# KiCad board keyboard.kicad_pcb
title: Entropy; date: 2020-12-25; rev: 0.1; company: Josh Johnson
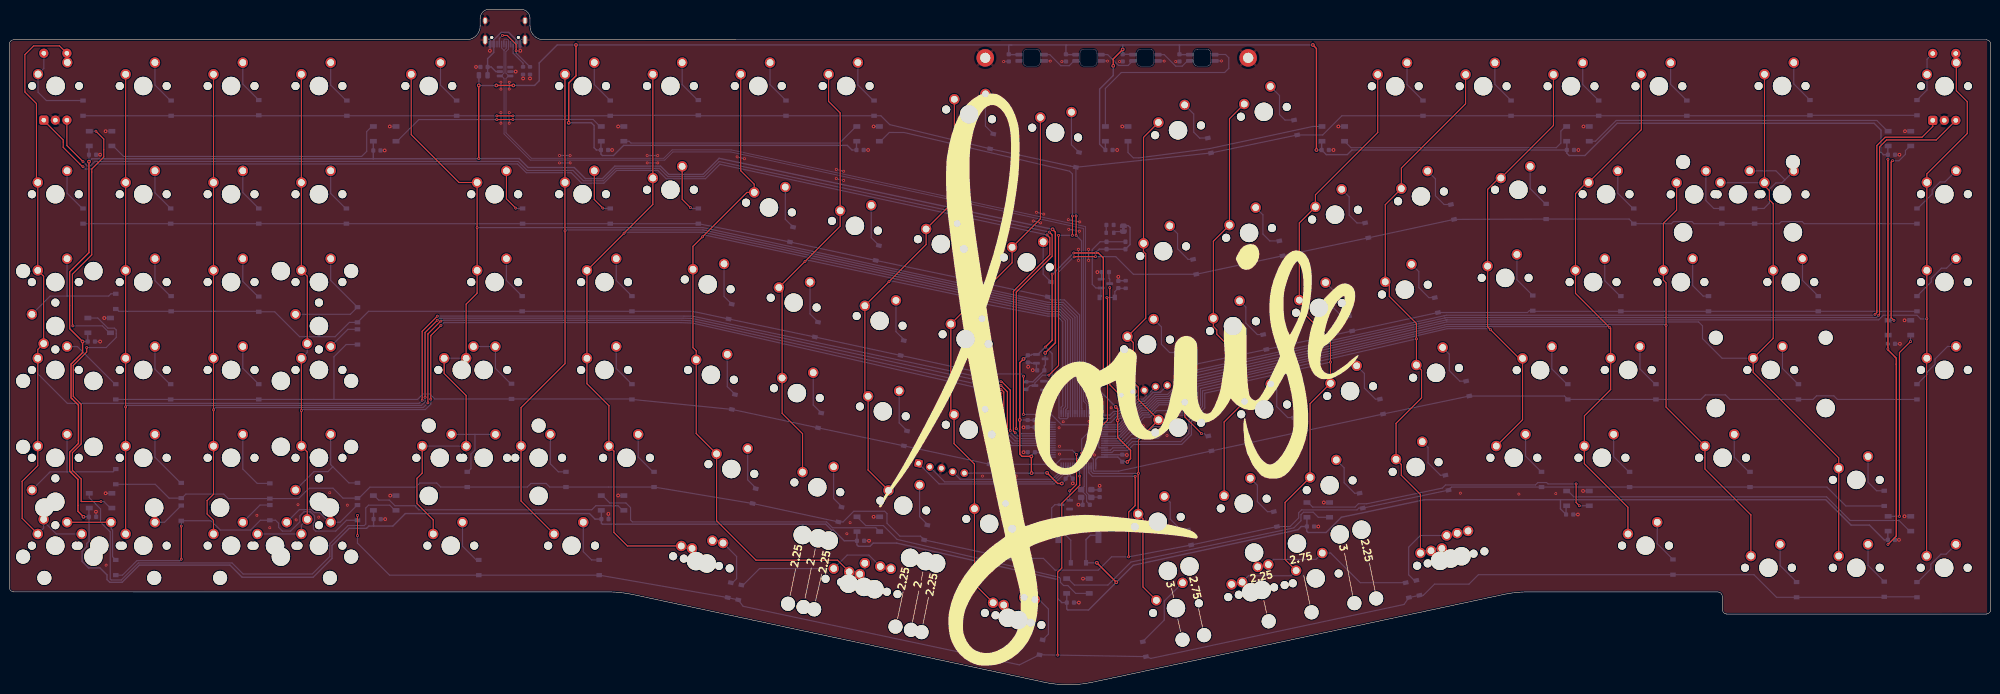
[diagram p0: board, top side]
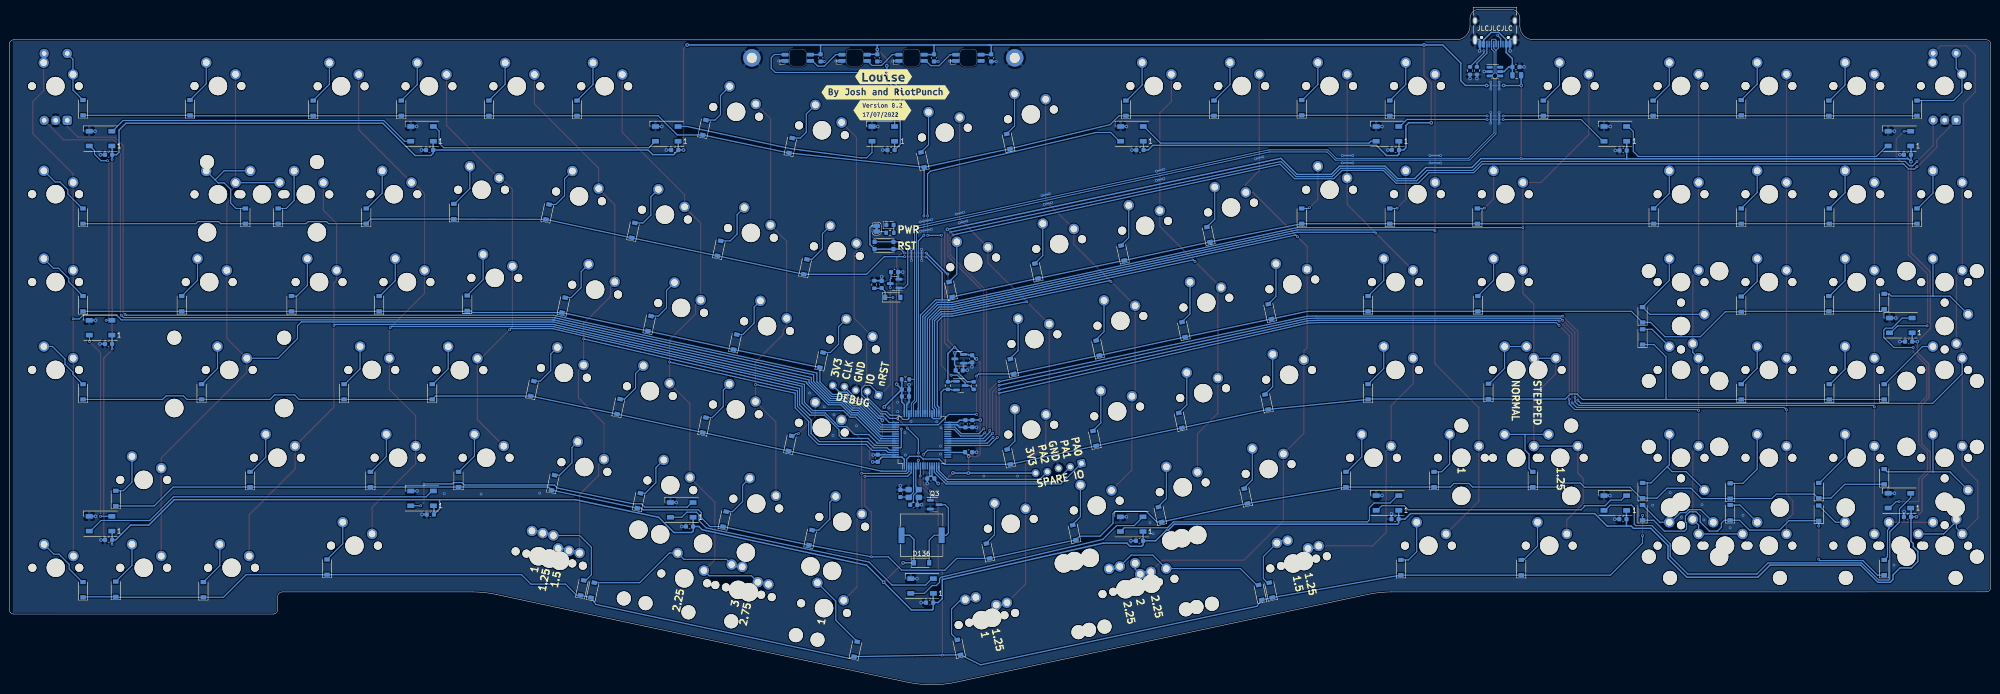
[diagram p1: board, bottom side, seen from below]

Outline 429.6 x 146.46 mm; copper layers: Top, Bottom. Coordinates in mm from the lower left corner of the outline.
Outline path: 0,138.84 0.01,21.14 arc(0.3,20.44) 1.01,20.14 129.87,20.14 arc(132.49,20) 135.08,19.59 224.38,0.55 arc(229.6,0) 234.81,0.55 324.02,19.59 arc(326.61,20) 329.24,20.14 370.39,20.13 arc(371.1,19.84) 371.39,19.13 371.41,16.34 arc(371.7,15.63) 372.41,15.34 428.6,15.34 arc(429.31,15.64) 429.6,16.34 429.59,138.83 arc(429.3,139.54) 428.59,139.83 115.9,139.84 arc(113.78,140.72) 112.9,142.84 112.9,144.46 arc(112.31,145.88) 110.9,146.46 104.1,146.46 arc(102.69,145.88) 102.1,144.46 102.1,142.84 arc(101.22,140.72) 99.1,139.84 1,139.84 arc(0.29,139.54) 0,138.84
Stack: Top 0.035mm / dielectric 1.51mm FR4 er 4.5 / Bottom 0.035mm

## Placement (name value [footprint] x y rotation side)
BZ1  Buzzer  [Buzzer_Murata_PKMCS0909E]  231.8 32.42 180 bottom
C1  100n  [C_0603_1608Metric]  184.46 115.94 180 bottom
C2  100n  [C_0603_1608Metric]  338.46 115.94 180 bottom
C3  100n  [C_0603_1608Metric]  408.06 114.92 180 bottom
C4  100n  [C_0603_1608Metric]  408.06 73.92 180 bottom
C5  100n  [C_0603_1608Metric]  408.06 31.42 180 bottom
C6  100n  [C_0603_1608Metric]  338.3 36.92 180 bottom
C7  4u7  [C_0603_1608Metric]  102.94 133.94 0 bottom
C8  100n  [C_0603_1608Metric]  282.11 34.32 180 bottom
C9  100n  [C_0603_1608Metric]  230.06 17.82 180 bottom
C10  100n  [C_0603_1608Metric]  184.56 31.22 180 bottom
C11  100n  [C_0603_1608Metric]  129.15 35.92 180 bottom
C12  4u7  [C_0603_1608Metric]  223.64 68.17 0 bottom
C13  100n  [C_0603_1608Metric]  79.76 35.92 180 bottom
C14  100n  [C_0603_1608Metric]  18.06 36.42 180 bottom
C15  4u7  [C_0603_1608Metric]  220.84 70.67 90 bottom
C16  100n  [C_0603_1608Metric]  17.8 74.42 180 bottom
C17  100n  [C_0603_1608Metric]  18.06 114.92 180 bottom
C18  100n  [C_0603_1608Metric]  129.06 115.94 180 bottom
C19  100n  [C_0603_1608Metric]  285.31 115.94 180 bottom
C20  100n  [C_0603_1608Metric]  253.7 135.92 90 bottom
C21  100n  [C_0603_1608Metric]  216.7 135.92 90 bottom
C22  100n  [C_0603_1608Metric]  241.4 135.92 90 bottom
C23  100n  [C_0603_1608Metric]  229.1 135.92 90 bottom
C24  4u7  [C_0603_1608Metric]  237.65 89.48 180 bottom
C25  10u  [C_0603_1608Metric]  240.45 86.78 90 bottom
C26  15p  [C_0603_1608Metric]  236.4 41.47 90 bottom
C27  15p  [C_0603_1608Metric]  233.5 39.02 180 bottom
C28  4u7  [C_0603_1608Metric]  220.8 56.62 270 bottom
C29  4u7  [C_0603_1608Metric]  235.3 64.02 180 bottom
C30  100n  [C_0603_1608Metric]  229.8 44.72 0 bottom
C31  100n  [C_0603_1608Metric]  241.3 49.12 90 bottom
C32  100n  [C_0603_1608Metric]  235.3 62.52 180 bottom
C33  100n  [C_0603_1608Metric]  222.3 56.59 270 bottom
C34  100n  [C_0603_1608Metric]  221.6 50.42 180 bottom
C35  100n  [C_0603_1608Metric]  79.7 115.84 180 bottom
C36  100n  [C_0603_1608Metric]  238.42 115.94 180 bottom
D1  1N4148  [D_SOD-123]  16 101.62 90 bottom
D2  1N4148  [D_SOD-123]  23.1 83.12 90 bottom
D3  1N4148  [D_SOD-123]  23.1 63.52 90 bottom
D4  1N4148  [D_SOD-123]  23.1 45.12 90 bottom
D5  1N4148  [D_SOD-123]  23.1 25.42 90 bottom
D6  1N4148  [D_SOD-123]  16 125.02 90 bottom
D7  WS2812B  [LED_WS2812B_PLCC4_5.0x5.0mm_P3.2mm]  186.2 119.44 0 bottom
D8  WS2812B  [LED_WS2812B_PLCC4_5.0x5.0mm_P3.2mm]  340.1 40.42 0 bottom
D9  WS2812B  [LED_WS2812B_PLCC4_5.0x5.0mm_P3.2mm]  130.8 119.44 0 bottom
D10  WS2812B  [LED_WS2812B_PLCC4_5.0x5.0mm_P3.2mm]  409.8 34.92 0 bottom
D11  1N4148  [D_SOD-123]  35.1 125.02 90 bottom
D12  1N4148  [D_SOD-123]  35 101.62 90 bottom
D13  1N4148  [D_SOD-123]  35.1 82.62 90 bottom
D14  1N4148  [D_SOD-123]  35 63.52 90 bottom
D15  1N4148  [D_SOD-123]  37.3 42.12 90 bottom
D16  1N4148  [D_SOD-123]  37.3 37.22 90 bottom
D17  WS2812B  [LED_WS2812B_PLCC4_5.0x5.0mm_P3.2mm]  19.8 118.42 0 bottom
D18  WS2812B  [LED_WS2812B_PLCC4_5.0x5.0mm_P3.2mm]  409.8 77.42 0 bottom
D19  WS2812B  [LED_WS2812B_PLCC4_5.0x5.0mm_P3.2mm]  19.5 77.92 0 bottom
D20  WS2812B  [LED_WS2812B_PLCC4_5.0x5.0mm_P3.2mm]  409.8 118.42 0 bottom
D21  1N4148  [D_SOD-123]  54.1 125.12 90 bottom
D22  1N4148  [D_SOD-123]  54.1 101.62 90 bottom
D23  1N4148  [D_SOD-123]  54.1 82.52 90 bottom
D24  1N4148  [D_SOD-123]  54.1 63.52 90 bottom
D25  1N4148  [D_SOD-123]  56.5 42.02 90 bottom
D26  1N4148  [D_SOD-123]  56.5 37.32 90 bottom
D27  WS2812B  [LED_WS2812B_PLCC4_5.0x5.0mm_P3.2mm]  19.8 39.92 0 bottom
D28  WS2812B  [LED_WS2812B_PLCC4_5.0x5.0mm_P3.2mm]  340.1 119.44 0 bottom
D29  1N4148  [D_SOD-123]  73.2 125.02 90 bottom
D30  1N4148  [D_SOD-123]  73.1 101.62 90 bottom
D31  1N4148  [D_SOD-123]  75.5 80.22 90 bottom
D32  1N4148  [D_SOD-123]  75.5 75.42 90 bottom
D33  1N4148  [D_SOD-123]  75.5 42.12 90 bottom
D34  1N4148  [D_SOD-123]  75.5 37.32 90 bottom
D35  WS2812B  [LED_WS2812B_PLCC4_5.0x5.0mm_P3.2mm]  81.4 39.42 0 bottom
D36  WS2812B  [LED_WS2812B_PLCC4_5.0x5.0mm_P3.2mm]  287.05 119.44 0 bottom
D37  WS2812B  [LED_WS2812B_PLCC4_5.0x5.0mm_P3.2mm]  130.8 39.42 0 bottom
D38  1N4148  [D_SOD-123]  97 125.02 90 bottom
D39  1N4148  [D_SOD-123]  111.3 101.62 90 bottom
D40  1N4148  [D_SOD-123]  111.2 82.62 90 bottom
D41  1N4148  [D_SOD-123]  108.9 63.62 90 bottom
D42  1N4148  [D_SOD-123]  99.3 44.52 90 bottom
D43  1N4148  [D_SOD-123]  101.8 25.42 90 bottom
D44  SK6812-MINI-E  [SK8612-MINI-E]  258.6 135.92 0 top
D45  WS2812B  [LED_WS2812B_PLCC4_5.0x5.0mm_P3.2mm]  186.25 34.82 0 bottom
D46  SK6812-MINI-E  [SK8612-MINI-E]  246.27 135.92 0 top
D47  1N4148  [D_SOD-123]  130.3 125.02 90 bottom
D48  1N4148  [D_SOD-123]  130.3 101.62 90 bottom
D49  1N4148  [D_SOD-123]  120.7 44.52 90 bottom
D50  1N4148  [D_SOD-123]  127.9 25.42 90 bottom
D51  WS2812B  [LED_WS2812B_PLCC4_5.0x5.0mm_P3.2mm]  231.7 21.42 0 bottom
D52  SK6812-MINI-E  [SK8612-MINI-E]  233.93 135.92 0 top
D53  WS2812B  [LED_WS2812B_PLCC4_5.0x5.0mm_P3.2mm]  283.8 37.92 0 bottom
D54  1N4148  [D_SOD-123]  149.4 125.12 90 bottom
D55  1N4148  [D_SOD-123]  149.4 101.62 90 bottom
D56  1N4148  [D_SOD-123]  135 82.62 90 bottom
D57  1N4148  [D_SOD-123]  135 63.52 90 bottom
D58  1N4148  [D_SOD-123]  139.8 44.52 90 bottom
D59  1N4148  [D_SOD-123]  156.1 20.52 78 bottom
D60  SK6812-MINI-E  [SK8612-MINI-E]  221.6 135.92 0 top
D61  1N4148  [D_SOD-123]  168.4 125.02 90 bottom
D62  1N4148  [D_SOD-123]  169.6 97.62 78 bottom
D63  1N4148  [D_SOD-123]  156.3 80.92 78 bottom
D64  1N4148  [D_SOD-123]  157 61.32 78 bottom
D65  1N4148  [D_SOD-123]  161.5 40.92 78 bottom
D66  1N4148  [D_SOD-123]  158.4 20.02 78 bottom
D67  1N4148  [D_SOD-123]  187.5 125.02 90 bottom
D68  1N4148  [D_SOD-123]  188.2 93.62 78 bottom
D69  1N4148  [D_SOD-123]  175 77.02 78 bottom
D70  1N4148  [D_SOD-123]  175.7 57.32 78 bottom
D71  1N4148  [D_SOD-123]  180.1 36.92 78 bottom
D72  1N4148  [D_SOD-123]  223.7 8.12 78 bottom
D73  1N4148  [D_SOD-123]  238.05 83.98 180 bottom
D74  1N4148  [D_SOD-123]  213 117.82 78 bottom
D75  1N4148  [D_SOD-123]  206.9 89.72 78 bottom
D76  1N4148  [D_SOD-123]  193.6 73.02 78 bottom
D77  1N4148  [D_SOD-123]  194.3 53.42 78 bottom
D78  1N4148  [D_SOD-123]  198.7 33.02 78 bottom
D79  1N4148  [D_SOD-123]  246.1 7.72 102 bottom
D80  1N4148  [D_SOD-123]  231.6 113.82 78 bottom
D81  1N4148  [D_SOD-123]  225.5 85.72 78 bottom
D82  1N4148  [D_SOD-123]  212.2 69.02 78 bottom
D83  1N4148  [D_SOD-123]  212.9 49.42 78 bottom
D84  1N4148  [D_SOD-123]  217.4 29.02 78 bottom
D85  1N4148  [D_SOD-123]  303.1 20.52 102 bottom
D86  1N4148  [D_SOD-123]  260.2 116.92 102 bottom
D87  1N4148  [D_SOD-123]  257 90.62 102 bottom
D88  1N4148  [D_SOD-123]  253.5 70.42 102 bottom
D89  1N4148  [D_SOD-123]  260.3 52.32 102 bottom
D90  1N4148  [D_SOD-123]  255.9 31.92 102 bottom
D91  1N4148  [D_SOD-123]  278.9 120.82 102 bottom
D92  1N4148  [D_SOD-123]  275.7 94.62 102 bottom
D93  1N4148  [D_SOD-123]  272.2 74.32 102 bottom
D94  1N4148  [D_SOD-123]  278.9 56.32 102 bottom
D95  1N4148  [D_SOD-123]  274.5 35.92 102 bottom
D96  1N4148  [D_SOD-123]  305.4 21.02 102 bottom
D97  BLUE  [LED_0603_1608Metric]  238.65 99.69 180 bottom
D98  1N4148  [D_SOD-123]  306.5 125.02 90 bottom
D99  1N4148  [D_SOD-123]  294.3 98.52 102 bottom
D100  1N4148  [D_SOD-123]  290.8 78.32 102 bottom
D101  1N4148  [D_SOD-123]  297.5 60.32 102 bottom
D102  1N4148  [D_SOD-123]  293.1 39.92 102 bottom
D103  1N4148  [D_SOD-123]  325.6 125.02 90 bottom
D104  1N4148  [D_SOD-123]  312.9 102.52 102 bottom
D105  1N4148  [D_SOD-123]  309.4 82.32 102 bottom
D106  1N4148  [D_SOD-123]  316.2 64.22 102 bottom
D107  1N4148  [D_SOD-123]  311.7 43.82 102 bottom
D108  1N4148  [D_SOD-123]  344.6 125.02 90 bottom
D109  1N4148  [D_SOD-123]  333.2 102.62 90 bottom
D110  1N4148  [D_SOD-123]  330.3 82.74 90 bottom
D111  1N4148  [D_SOD-123]  337.9 63.52 90 bottom
D112  1N4148  [D_SOD-123]  332.2 44.52 90 bottom
D113  1N4148  [D_SOD-123]  360.7 25.52 90 bottom
D114  1N4148  [D_SOD-123]  363.7 125.02 90 bottom
D115  1N4148  [D_SOD-123]  352.2 101.62 90 bottom
D116  1N4148  [D_SOD-123]  349.4 82.62 90 bottom
D117  1N4148  [D_SOD-123]  357 63.52 90 bottom
D118  1N4148  [D_SOD-123]  351.3 44.52 90 bottom
D119  1N4148  [D_SOD-123]  387.5 20.62 90 bottom
D120  1N4148  [D_SOD-123]  390.4 125.12 90 bottom
D121  1N4148  [D_SOD-123]  371.3 101.62 90 bottom
D122  1N4148  [D_SOD-123]  368.4 82.62 90 bottom
D123  1N4148  [D_SOD-123]  387.9 63.52 90 bottom
D124  1N4148  [D_SOD-123]  377.4 44.52 90 bottom
D125  1N4148  [D_SOD-123]  406.5 20.72 90 bottom
D126  1N4148  [D_SOD-123]  378.4 101.62 90 bottom
D127  1N4148  [D_SOD-123]  392.2 82.62 90 bottom
D128  1N4148  [D_SOD-123]  406.5 40.42 90 bottom
D129  1N4148  [D_SOD-123]  413.6 20.62 90 bottom
D130  1N4148  [D_SOD-123]  413.6 101.62 90 bottom
D131  1N4148  [D_SOD-123]  413.6 82.62 90 bottom
D132  1N4148  [D_SOD-123]  413.6 63.52 90 bottom
D133  1N4148  [D_SOD-123]  413.6 125.12 90 bottom
D134  WS2812B  [LED_WS2812B_PLCC4_5.0x5.0mm_P3.2mm]  240.1 119.44 0 bottom
D135  WS2812B  [LED_WS2812B_PLCC4_5.0x5.0mm_P3.2mm]  81.4 119.44 0 bottom
D136  1N4148  [D_SOD-123]  231.8 26.44 180 bottom
F1  500mA  [Fuse_0805_2012Metric]  102.76 132.14 0 bottom
H1  M2  [MountingHole_2.2mm_M2_DIN965_Pad]  211.6 135.92 0 top
H2  M2  [MountingHole_2.2mm_M2_DIN965_Pad]  268.6 135.92 0 top
J1  USB_C_Receptacle_USB2.0  [USB_C_Receptacle_HRO_TYPE-C-31-M-12]  107.5 142.94 0 bottom
J2  SWD  [5_PIN_THT_Staggered]  241.1 62.92 282 bottom
J3  SPARE  [5_PIN_THT_Staggered]  197.11 47.88 78 top
JP1  SHORT  [SolderJumper-2_P1.3mm_Bridged_RoundedPad1.0x1.5mm]  241.55 98.89 90 bottom
kibuzzard-61D50AA1  G***  [kibuzzard-61D50AA1]  240.05 131.84 180 bottom
kibuzzard-61D57EF9  G***  [kibuzzard-61D57EF9]  239.6 128.44 180 bottom
kibuzzard-62D3D004  G***  [kibuzzard-62D3D004]  240.3 124.54 180 bottom
LOGO2  LOUISE  [louise]  244.2 67.54 0 top
LOGO3  OSHW Logo  [OSHW-Logo2_9.8x8mm_Mask]  239.9 108.31 180 bottom
Q1  2N7002  [SOT-23]  223.3 64.87 180 bottom
Q2  DTC123J  [SOT-23]  237.65 86.98 0 bottom
Q3  DTC123J  [SOT-23]  228.95 39.04 180 bottom
R1  5K1  [R_0603_1608Metric]  226.1 64.87 270 bottom
R2  5K1  [R_0603_1608Metric]  220.5 64.87 270 bottom
R3  5K1  [R_0603_1608Metric]  112.9 133.14 90 bottom
R4  5K1  [R_0603_1608Metric]  111.4 133.14 270 bottom
R5  100K  [R_0603_1608Metric]  242.05 86.78 90 bottom
R6  5K1  [R_0603_1608Metric]  238.65 97.99 180 bottom
R7  1K5  [R_0603_1608Metric]  235.3 66.22 180 bottom
SW1  RotaryEncoder_Switch  [MX_KEYSWITCH_ENCODER]  10 129.82 0 top
SW2  KEYSW  [MXOnly-1U-NoLED]  10 68.26 0 top
SW3  KEYSW  [MXOnly-2U-NoLED]  10 39.68 90 top
SW4  KEYSW  [MXOnly-1U-NoLED]  10 30.16 0 top
SW5  KEYSW  [MXOnly-1U-NoLED]  10 106.36 0 top
SW6  KEYSW  [MXOnly-1U-NoLED]  10 87.31 0 top
SW7  KEYSW  [MXOnly-2U-NoLED]  10 77.78 90 top
SW8  KEYSW  [MXOnly-1U-NoLED]  10 49.21 0 top
SW9  KEYSW  [MXOnly-2U-ReversedStabilizers-NoLED]  19.53 30.16 0 top
SW10  KEYSW  [MXOnly-1U-NoLED]  29.05 129.82 0 top
SW11  KEYSW  [MXOnly-1U-NoLED]  29.05 106.36 0 top
SW12  KEYSW  [MXOnly-1U-NoLED]  29.05 87.31 0 top
SW13  KEYSW  [MXOnly-1U-NoLED]  29.05 68.26 0 top
SW14  KEYSW  [MXOnly-1U-NoLED]  29.05 49.21 0 top
SW15  KEYSW  [MXOnly-1U-NoLED]  29.05 30.16 0 top
SW16  KEYSW  [MXOnly-1U-NoLED]  48.1 129.82 0 top
SW17  KEYSW  [MXOnly-1U-NoLED]  48.1 106.36 0 top
SW18  KEYSW  [MXOnly-1U-NoLED]  48.1 87.31 0 top
SW19  KEYSW  [MXOnly-1U-NoLED]  48.1 68.26 0 top
SW20  KEYSW  [MXOnly-1U-NoLED]  48.1 49.21 0 top
SW21  KEYSW  [MXOnly-1U-NoLED]  48.1 30.16 0 top
SW22  KEYSW  [MXOnly-2U-ReversedStabilizers-NoLED]  67.15 77.78 90 top
SW23  KEYSW  [MXOnly-2U-ReversedStabilizers-NoLED]  67.15 39.68 90 top
SW24  KEYSW  [MXOnly-1U-NoLED]  67.15 30.16 0 top
SW25  KEYSW  [MXOnly-1U-NoLED]  67.15 129.82 0 top
SW26  KEYSW  [MXOnly-1U-NoLED]  67.15 106.36 0 top
SW27  KEYSW  [MXOnly-1U-NoLED]  67.15 87.31 0 top
SW28  KEYSW  [MXOnly-1U-NoLED]  67.15 68.26 0 top
SW29  KEYSW  [MXOnly-1U-NoLED]  67.15 49.21 0 top
SW30  KEYSW  [MXOnly-2U-ReversedStabilizers-NoLED]  57.62 30.16 0 top
SW31  KEYSW  [MXOnly-1.25U-NoLED]  98.11 68.26 0 top
SW32  KEYSW  [MXOnly-2.25U-NoLED]  102.87 49.21 0 top
SW33  KEYSW  [MXOnly-1U-NoLED]  90.96 129.82 0 top
SW34  KEYSW  [MXOnly-1U-NoLED]  105.25 106.36 0 top
SW35  KEYSW  [MXOnly-1.5U-NoLED]  105.25 87.31 0 top
SW36  KEYSW  [MXOnly-1.75U-NoLED]  102.87 68.26 0 top
SW37  KEYSW  [MXOnly-1.25U-NoLED]  93.34 49.21 0 top
SW38  KEYSW  [MXOnly-1.5U-NoLED]  95.72 30.16 0 top
SW39  KEYSW  [MXOnly-1U-NoLED]  124.3 129.82 0 top
SW40  KEYSW  [MXOnly-1U-NoLED]  124.3 106.37 0 top
SW41  KEYSW  [MXOnly-1U-NoLED]  114.78 49.21 0 top
SW42  KEYSW  [MXOnly-1.25U-NoLED]  121.92 30.16 0 top
SW43  KEYSW  [MXOnly-1U-NoLED]  143.35 129.82 0 top
SW44  KEYSW  [MXOnly-1U-NoLED]  143.35 107.32 0 top
SW45  KEYSW  [MXOnly-1U-NoLED]  129.06 87.31 0 top
SW46  KEYSW  [MXOnly-1U-NoLED]  129.06 68.26 0 top
SW47  KEYSW  [MXOnly-1U-NoLED]  133.83 49.21 0 top
SW48  KEYSW  [MXOnly-1.5U-NoLED]  151.23 26.29 348 top
SW49  KEYSW  [MXOnly-2.25U-ReversedStabilizers-NoLED]  187.6 20.72 348 top
SW50  KEYSW  [MXOnly-1U-NoLED]  162.4 129.82 0 top
SW51  KEYSW  [MXOnly-1U-NoLED]  164.71 103.47 348 top
SW52  KEYSW  [MXOnly-1U-NoLED]  151.43 86.82 348 top
SW53  KEYSW  [MXOnly-1U-NoLED]  152.13 67.19 348 top
SW54  KEYSW  [MXOnly-1U-NoLED]  156.56 46.78 348 top
SW55  KEYSW  [MXOnly-2U-ReversedStabilizers-NoLED]  185.3 21.22 348 top
SW56  KEYSW  [MXOnly-1U-NoLED]  218.8 14.02 348 top
SW57  KMR2  [SW_Push_KMR2]  239.95 95.24 0 bottom
SW58  KEYSW  [MXOnly-1U-NoLED]  181.45 129.82 0 top
SW59  KEYSW  [MXOnly-1U-NoLED]  183.35 99.51 348 top
SW60  KEYSW  [MXOnly-1U-NoLED]  170.07 82.86 348 top
SW61  KEYSW  [MXOnly-1U-NoLED]  170.77 63.23 348 top
SW62  KEYSW  [MXOnly-1U-NoLED]  175.19 42.82 348 top
SW63  KEYSW  [MXOnly-1.25U-NoLED]  216.5 14.52 348 top
SW64  KEYSW  [MXOnly-1U-NoLED]  208.1 123.67 348 top
SW65  KEYSW  [MXOnly-1U-NoLED]  201.98 95.55 348 top
SW66  KEYSW  [MXOnly-1U-NoLED]  188.7 78.9 348 top
SW67  KEYSW  [MXOnly-1U-NoLED]  189.4 59.27 348 top
SW68  KEYSW  [MXOnly-1U-NoLED]  193.82 38.86 348 top
SW69  KEYSW  [MXOnly-1U-NoLED]  252.95 16.62 12 top
SW70  KEYSW  [MXOnly-3U-ReversedStabilizers-NoLED]  271.55 20.57 12 top
SW71  KEYSW  [MXOnly-2.25U-ReversedStabilizers-NoLED]  283.25 23.07 12 top
SW72  KEYSW  [MXOnly-1U-NoLED]  226.75 119.72 348 top
SW73  KEYSW  [MXOnly-1U-NoLED]  220.61 91.59 348 top
SW74  KEYSW  [MXOnly-1U-NoLED]  207.34 74.94 348 top
SW75  KEYSW  [MXOnly-1U-NoLED]  208.03 55.31 348 top
SW76  KEYSW  [MXOnly-1U-NoLED]  212.46 34.9 348 top
SW77  KEYSW  [MXOnly-2.75U-ReversedStabilizers-NoLED]  269.25 20.07 12 top
SW78  KEYSW  [MXOnly-1U-NoLED]  253.4 120.22 12 top
SW79  KEYSW  [MXOnly-1U-NoLED]  250.17 94 12 top
SW80  KEYSW  [MXOnly-1U-NoLED]  246.68 73.79 12 top
SW81  KEYSW  [MXOnly-1U-NoLED]  253.43 55.75 12 top
SW82  KEYSW  [MXOnly-1U-NoLED]  249.01 35.33 12 top
SW83  KEYSW  [MXOnly-1U-NoLED]  314.85 27.87 12 top
SW84  KEYSW  [MXOnly-1.25U-NoLED]  312.5 27.37 12 top
SW85  KEYSW  [MXOnly-1U-NoLED]  272 124.22 12 top
SW86  KEYSW  [MXOnly-1U-NoLED]  268.8 97.96 12 top
SW87  KEYSW  [MXOnly-1U-NoLED]  265.31 77.75 12 top
SW88  KEYSW  [MXOnly-1U-NoLED]  272.07 59.71 12 top
SW89  KEYSW  [MXOnly-1U-NoLED]  267.64 39.29 12 top
SW90  KEYSW  [MXOnly-1.5U-NoLED]  310.2 26.87 12 top
SW91  KEYSW  [MXOnly-1U-NoLED]  300.5 129.77 0 top
SW92  KEYSW  [MXOnly-1U-NoLED]  287.44 101.93 12 top
SW93  KEYSW  [MXOnly-1U-NoLED]  283.94 81.71 12 top
SW94  KEYSW  [MXOnly-1U-NoLED]  290.7 63.67 12 top
SW95  KEYSW  [MXOnly-1U-NoLED]  286.28 43.25 12 top
SW96  KEYSW  [MXOnly-1U-NoLED]  319.55 129.77 0 top
SW97  KEYSW  [MXOnly-1U-NoLED]  306.07 105.89 12 top
SW98  KEYSW  [MXOnly-1U-NoLED]  302.58 85.67 12 top
SW99  KEYSW  [MXOnly-1U-NoLED]  309.33 67.63 12 top
SW100  KEYSW  [MXOnly-1U-NoLED]  304.91 47.21 12 top
SW101  KEYSW  [MXOnly-1U-NoLED]  338.6 129.77 0 top
SW102  KEYSW  [MXOnly-1U-NoLED]  327.2 107.32 0 top
SW103  KEYSW  [MXOnly-1U-NoLED]  324.33 88.22 0 top
SW104  KEYSW  [MXOnly-1U-NoLED]  331.9 68.22 0 top
SW105  KEYSW  [MXOnly-1U-NoLED]  326.2 49.22 0 top
SW106  KEYSW  [MXOnly-1.5U-NoLED]  354.75 30.17 0 top
SW107  KEYSW  [MXOnly-1U-NoLED]  357.65 129.77 0 top
SW108  KEYSW  [MXOnly-1U-NoLED]  346.2 106.36 0 top
SW109  KEYSW  [MXOnly-1U-NoLED]  343.38 87.31 0 top
SW110  KEYSW  [MXOnly-1U-NoLED]  351 68.26 0 top
SW111  KEYSW  [MXOnly-1U-NoLED]  345.3 49.22 0 top
SW112  KEYSW  [MXOnly-1U-NoLED]  381.4 25.37 0 top
SW113  KEYSW  [MXOnly-1U-NoLED]  384.35 129.82 0 top
SW114  KEYSW  [MXOnly-1U-NoLED]  365.3 106.32 0 top
SW115  KEYSW  [MXOnly-1U-NoLED]  362.42 87.31 0 top
SW116  KEYSW  [MXOnly-2.25U-NoLED]  381.9 68.26 0 top
SW117  KEYSW  [MXOnly-1.75U-NoLED]  371.45 49.22 0 top
SW118  KEYSW  [MXOnly-1U-NoLED]  400.45 25.37 0 top
SW119  KEYSW  [MXOnly-1U-NoLED]  384.35 106.32 0 top
SW120  KEYSW  [MXOnly-2U-NoLED]  374.8 106.36 0 top
SW121  KEYSW  [MXOnly-1.5U-NoLED]  386.24 87.31 0 top
SW122  KEYSW  [MXOnly-1U-NoLED]  400.45 44.42 0 top
SW123  KEYSW  [MXOnly-1U-NoLED]  419.5 25.37 0 top
SW124  RotaryEncoder_Switch  [MX_KEYSWITCH_ENCODER]  419.52 129.77 0 top
SW125  KEYSW  [MXOnly-1U-NoLED]  419.55 106.37 0 top
SW126  KEYSW  [MXOnly-1U-NoLED]  419.55 87.32 0 top
SW127  KEYSW  [MXOnly-1U-NoLED]  419.55 68.27 0 top
SW128  KEYSW  [MXOnly-1.25U-NoLED]  148.9 26.82 348 top
SW129  KEYSW  [MXOnly-2.25U-ReversedStabilizers-NoLED]  181.95 21.92 348 top
U1  SRV05-4  [SOT-23-6]  107.5 132.94 180 bottom
U2  XC6206P332MR  [SOT-23]  223.64 70.67 0 bottom
U3  STM32F303RBT6  [LQFP-64_10x10mm_P0.5mm]  231.8 53.12 90 bottom
Y1  8MHz  [Crystal_SMD_3225-4Pin_3.2x2.5mm]  233.5 41.47 0 bottom

## Library data of the parts
BZ1 = -: MPN: PKMCS0909E; Manufacturer: Murata Electronics
C1-C6 C8-C11 C13 C14 C16-C23 C30-C36 = -: LCSC: C14663; MPN: CC0603KRX7R9BB104; Manufacturer: YAGEO
C7 C12 C15 C24 C28 C29 = -: LCSC: C19666; MPN: CL10A475KO8NNNC; Manufacturer: Samsung Electro-Mechanics
C25 = -: LCSC: C96446; MPN: CL10A106MA8NRNC; Manufacturer: Samsung Electro-Mechanics
C26 C27 = -: LCSC: C1644; MPN: CL10C150JB8NNNC; Manufacturer: Samsung Electro-Mechanics
D1-D6 D11-D16 D21-D26 D29-D34 D38-D43 D47-D50 D54-D59 D61-D96 D98-D133 D136 = -: LCSC: C81598; MPN: 1N4148W; Manufacturer: Semtech
D7-D10 D17-D20 D27 D28 D35-D37 D45 D51 D53 D134 D135 = -: LCSC: C2761795; MPN: WS2812B-B/W; Manufacturer: Worldsemi
D44 D46 D52 D60 = -: Manufacturer: Shenzhen LED Color
D97 = -: LCSC: C72041; MPN: 19-217/BHC-ZL1M2RY/3T; Manufacturer: Everlight Elec
F1 = -: LCSC: C66452; MPN: SMD0805-050; Manufacturer: TECHFUSE
H1 H2 J2 J3 JP1 LOGO2 LOGO3 SW1-SW56 SW58-SW129 = -: DNP: DNP
J1 = -: LCSC: C165948; MPN: TYPE-C-31-M-12; Manufacturer: Korean Hroparts Elec
Q1 = -: LCSC: C8545; Manufacturer: Changjiang Electronics Tech (CJ)
Q2 Q3 = -: LCSC: C145108; MPN: DDTC123JCA-7-F; Manufacturer: Diodes Incorporated
R1-R4 R6 = -: LCSC: C23186; MPN: 0603WAF5101T5E; Manufacturer: UNI-ROYAL(Uniroyal Elec)
R5 = -: LCSC: C25803; MPN: 0603WAF1003T5E; Manufacturer: UNI-ROYAL(Uniroyal Elec)
R7 = -: LCSC: C22843; MPN: 0603WAF1501T5E; Manufacturer: UNI-ROYAL(Uniroyal Elec)
SW57 = -: LCSC: C99271; MPN: KMR231GLFS; Manufacturer: C&K
U1 = -: LCSC: C85364; MPN: XC6206P332MR; Manufacturer: ProTek Devices
U2 = -: LCSC: C5446; Manufacturer: Torex Semicon
U3 = -: LCSC: C130453; Manufacturer: STMicroelectronics
Y1 = -: LCSC: C403948; MPN: TAXM8M4RFDCET2T; Manufacturer: TAE(Zhejiang Abel Elec)
